# Altium PCB Jlink OB.PcbDoc
Units mil, origin at the board's own origin, x right, y up, seen from the top; angles counter-clockwise.
Board outline 1395.42 x 635.42 mil, 2 copper layers (Top Layer, Bottom Layer); 25 components, 24 nets, 124 pads, 48 vias.
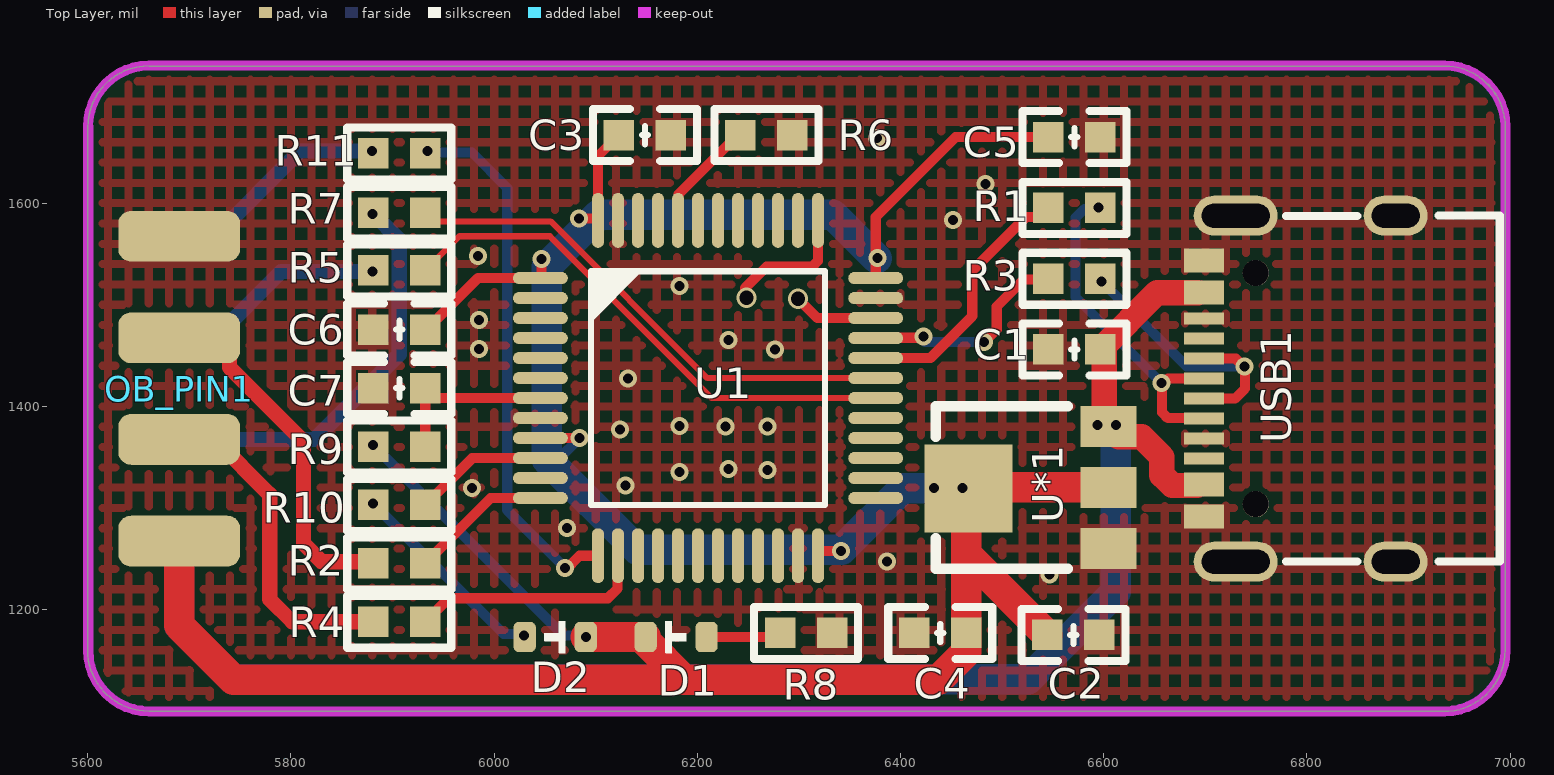
[diagram p0: Top Layer view]
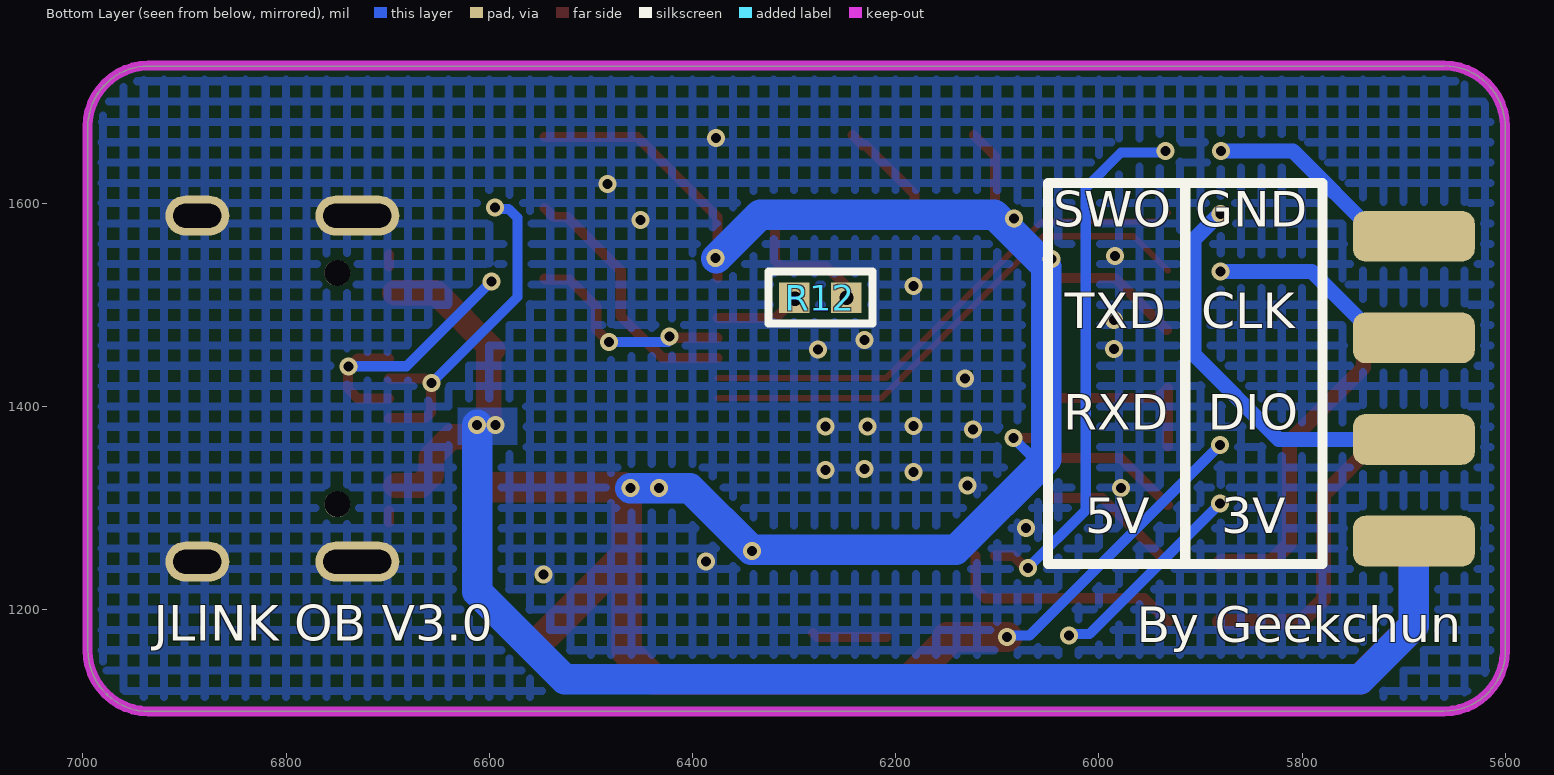
[diagram p1: Bottom Layer view, seen from below]
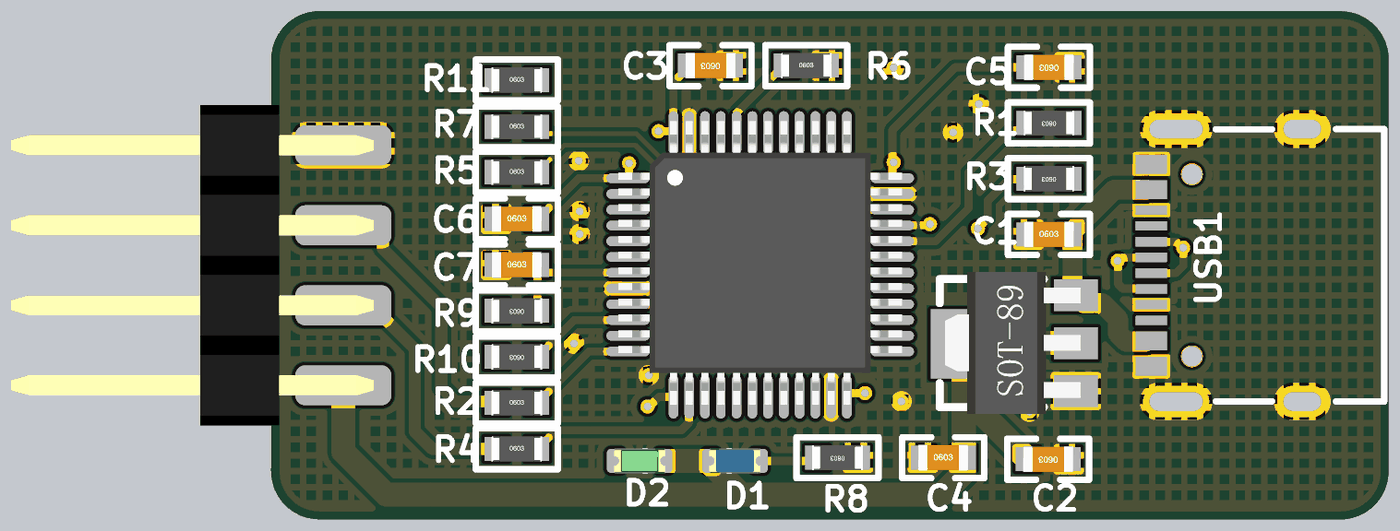
[diagram p2: 3D render of the assembled board from above, using the file's embedded part models]

## Layer stack, top to bottom
Top Solder: solder mask 0.4, Solder Resist, Dk 3.5
Top Layer: signal copper 1.4
Dielectric 1: dielectric 12.6, FR-4, Dk 4.8
Bottom Layer: signal copper 1.4
Bottom Solder: solder mask 0.4, Solder Resist, Dk 3.5

## Board outline
5599.79,1160.21 ccw(c5660,1160.21) 5660,1100 6935,1100 6934.79,1099.79 ccw(c6934.79,1160) 6995,1160 6995,1675 6995.21,1674.79 ccw(c6935,1674.79) 6935,1735 5660.21,1735 5660.21,1735.21 ccw(c5660.21,1675) 5600,1675

## Design rules (kind name [scope] priority, off if disabled: settings)
Clearance [All] p1: gap=5 ignorepadtopadclearanceinfootprint=FALSE
DiffPairsRouting [All] p1: maxlimit=10 minlimit=5 mostfreqgap=10 toplayer_minwidth=10 toplayer_maxwidth=15 toplayer_prefwidth=15 bottomlayer_minwidth=10 bottomlayer_maxwidth=15 bottomlayer_prefwidth=15 maxuncoupledlength=500
PolygonConnect [All] p1: connectstyle=Direct reliefconductorwidth=10 reliefentries=4 polygonreliefangle="90 Angle" airgapwidth=10
RoutingVias [All] p1: holewidth=6 width=10 viastyle="Through Hole" minholewidth=7.87 minwidth=17.72 maxholewidth=14 maxwidth=20
SolderMaskExpansion [All] p1: expansion=4 istentingtop=FALSE
Width [All] p1: maxlimit=50 minlimit=6 preferedwidth=10 minimp=50.000000 maximp=50.000000 favimp=50.000000
29 further rules are at their usual default settings.

## Classes and differential pairs
differential pair NewDifferentialPair1: +USB_DP -USB_DN

## Components (designator, comment, footprint, x,y, rotation, side; value= is the part's Value field where it differs from the comment)
C1 "0.1uf" "C 0603_L" 6571.01,1456 r0 top value=1.2pF
C2 "1uf" "C 0603_L" 6570,1175 r180 top value=1.2pF
C3 "0.1uf" "C 0603_L" 6148.41,1667 r180 top value=1.2pF
C4 "0.1uf" "C 0603_L" 6439,1177 r0 top value=1.2pF
C5 "0.1uf" "C 0603_L" 6571,1665 r180 top value=1.2pF
C6 "0.1uf" "C 0603_L" 5906.6,1475.5 r0 top value=1.2pF
C7 "0.1uf" "C 0603_L" 5906.6,1418 r0 top value=1.2pF
D1 "LED_0603" LED_0603_BLUE 6179,1173 r0 top
D2 "LED_0603" LED_0603_GREEN 6060,1173 r180 top
OB_PIN1 "HDR2x4_2.54" HDR2X4_2.54_180H 5690,1267.45 r180 top
R1 "22R" "R 0603_L" 6571,1595.33 r180 top
R2 "100R" "R 0603_L" 5906.6,1245.5 r0 top
R3 "22R" "R 0603_L" 6571,1525.66 r180 top
R4 "100R" "R 0603_L" 5906.6,1188 r0 top
R5 "100R" "R 0603_L" 5906.6,1533.9 r0 top
R6 "10K" "R 0603_L" 6268,1667 r0 top
R7 "100R" "R 0603_L" 5906.6,1590.6 r0 top
R8 "1K" "R 0603_L" 6307,1176.99 r180 top
R9 "10K" "R 0603_L" 5906.59,1360.49 r180 top
R10 "1K" "R 0603_L" 5906.59,1302.99 r180 top
R11 "100R" "R 0603_L" 5906.6,1649 r0 top
R12 "10K" "R 0603_L" 6274,1507 r0 bottom (schematic designator R6)
U1 "STM32F072CxT" LQFP_P0.5_48 6210.47,1418 r0 top value=Value
U*1 "ASM1117-3.3V" SOT-89 6604,1322 r90 top
USB1 "Type-C" PCBComponent_1 6840,1418.05 r0 top

## Footprints (in the part's own frame and the unit in brackets; to place one, negate y for a bottom-side part, rotate by r counter-clockwise, add the part's x,y. Pads: shape width x height; smd on the part's side, far side on the other; paste and mask are expansions set on the pad)
"C 0603_L" [mil] "无极性贴片电容"
  rect 30x30 smd: 1(-25.59,0) 2(25.59,0)
  silkscreen extent -51,-26 51,26, body extent -31,-16 31,16, height 32
HDR2X4_2.54_180H [mil]
  rrect50% 120x50 smd: 1(0,0) 3(0,-100) 5(0,-200) 7(0,-300)
  rrect50% 120x50 smd far side: 2(0,0) 4(0,-100) 6(0,-200) 8(0,-300)
  body extent -38,-350 415,50, height 100
LED_0603_BLUE [mil]
  rrect50% 22x30 smd: 1(-30,0) 2(30,0)
  silkscreen extent -10,-16 10,16, body extent -32,-16 32,16, height 24
LED_0603_GREEN [mil]
  rrect50% 22x30 smd: 1(-30,0) 2(30,0)
  silkscreen extent -10,-16 10,16, body extent -32,-16 32,16, height 24
LQFP_P0.5_48 [mil]
  oval 54x12 smd: 1(-165,108.27) 2(-165,88.58) 3(-165,68.9) 4(-165,49.21) 5(-165,29.53) 6(-165,9.84) 7(-165,-9.84) 8(-165,-29.53) 9(-165,-49.21) 10(-165,-68.9) 11(-165,-88.58) 12(-165,-108.27) 25(165,-108.27) 26(165,-88.58) 27(165,-68.9) 28(165,-49.21) 29(165,-29.53) 30(165,-9.84) 31(165,9.84) 32(165,29.53) 33(165,49.21) 34(165,68.9) 35(165,88.58) 36(165,108.27)
  oval 12x54 smd: 13(-108.27,-165) 14(-88.58,-165) 15(-68.9,-165) 16(-49.21,-165) 17(-29.53,-165) 18(-9.84,-165) 19(9.84,-165) 20(29.53,-165) 21(49.21,-165) 22(68.9,-165) 23(88.58,-165) 24(108.27,-165) 37(108.27,165) 38(88.58,165) 39(68.9,165) 40(49.21,165) 41(29.53,165) 42(9.84,165) 43(-9.84,165) 44(-29.53,165) 45(-49.21,165) 46(-68.9,165) 47(-88.58,165) 48(-108.27,165)
  silkscreen extent -115,-115 115,115, body extent -177,-175 177,180, height 61
PCBComponent_1 [mm]
  round 0.65 hole 0.65: 0(-2.299,-2.905) 0(-2.299,2.875)
  oval 1.6x1 hole 0.6 slot 1.2 at 0 deg: 1(1.201,4.31) 2(1.201,-4.34)
  oval 2.1x1 hole 0.6 slot 1.7 at 0 deg: 3(-2.799,-4.34) 4(-2.799,4.31)
  rect 1x0.3 smd: A1(-3.589,-3.365) A4(-3.589,-2.565) A5(-3.589,-1.265) A6(-3.589,-0.265) A7(-3.589,0.235) A8(-3.589,1.235) A9(-3.589,2.535) A12(-3.589,3.335) B1(-3.589,3.035) B4(-3.589,2.235) B5(-3.589,1.735) B6(-3.589,0.735) B7(-3.589,-0.765) B8(-3.589,-1.765) B9(-3.589,-2.265) B12(-3.589,-3.065)
  silkscreen extent -1.54,-4.34 3.8,4.31
"R 0603_L" [mil] "1/10W贴片电阻"
  rect 30x30 smd: 1(-25.59,0) 2(25.59,0)
  silkscreen extent -51,-26 51,26, body extent -31,-16 32,16, height 16
SOT-89 [mil]
  rect 40x55 smd: 1(-61.82,-0.57) 2(-1.82,-0.57) 3(58.18,-0.57)
  rect 86.61x86.61 smd: 2(-2.76,137.22)
  silkscreen extent -82,39 78,169, body extent -90,-6 87,163, height 59

## Part data
C1 C2 C3 C4 C5 C6 C7: "Capacitor, NP0, ?.1pF", Part Number=C0402-1.2p, Artikkelnr Noca=20029157, Artikkelnr Simpro=N.A., Footprint Doc=0402, LatestRevisionDate=2011-05-11, Note=50V, Pin Count=2, Published=2009-05-08, Publisher="Nordic Semiconductor"
D1 D2: "LED"
OB_PIN1: "Header"
R1 R2 R3 R4 R5 R6 R7 R8 R9 R10 R11 R12: library part RES
U1: "Imported", Manufacturer_Part_Number=stm32f072cxt, C="Copyright (C) 2016 Accelerated Designs. All rights reserved", Copyright="Copyright (C) 2016 Accelerated Designs. All rights reserved", RefDes=RefDes, Type=Type, Vendor=STMicroelectronics
U*1: "三端可调或固定电压3.3V"

## Via types
v1: diameter 17.72, hole 9.84, Top Layer to Bottom Layer, 46 vias
v2: diameter 20, hole 14, Top Layer to Bottom Layer, 2 vias

## Nets (pads, with @x,y where several pads share a name; then routed paths per layer and width w, separated by ;. In a path a pad name is that pad's centre, name@x,y a point inside that pad or via, vN(x,y) a via of type N, cw(c..) or ccw(c..) an arc to the next point about the centre after c; other vN are vias at no path point)
3.3V: C2.2 C3.2 C4.2 C5.2 C6.2 D1.1 D2.1 OB_PIN1.1 R9.2 U1.1 U1.9 U1.24 U1.36 U1.48 U*1.2 | length 3361.4
  Top Layer w10: C6.2@5933.18,1475.5 5983.95,1526.27 U1.1 6045.79,1526.27 6046.71,1527.19 v1(6046.71,1545.03) ; U1.9 v1(6084,1368.79) ; v1(6083.56,1585.02) 6101.28,1585.02 U1.48@6102.2,1584.1 ; U1.48 U1.48@6102.2,1584.1 ; C3.2 6102.2,1646.39 U1.48@6102.2,1584.1 ; U1.24 6318.74,1256.72 6319.66,1257.64 v1(6341.36,1257.64) ; U1.36 6375.47,1586.37 6454.1,1665 C5.2
  Top Layer w30: OB_PIN1.1 5690,1184.4 5743.4,1131 6187,1131 ; D2.1 D1.1 6149,1169 6187,1131 ; U*1.2@6464.59,1317.05 6464.59,1254.83 ; U*1.2@6467.72,1320.18 U*1.2@6604.57,1320.18 ; C2.2 6464.59,1254.83 ; 6187,1131 6437.3,1131 6464.59,1158.29 6464.59,1254.83
  Bottom Layer w10: v1(5880.57,1362.14) 6068.39,1174.32 6089.08,1174.32 v1(6090.56,1172.84) ; 6051.8,1347.8 6063.01,1347.8 v1(6084,1368.79)
  Bottom Layer w30: 6051.8,1367.45 6051.8,1347.8 6140.8,1258.8 6341.9,1258.8 6402.64,1319.54 v1(6461.06,1319.54) ; 6051.8,1368.79 6051.8,1537.6 6103,1588.8 6333.3,1588.8 v1@6376.56,1545.54
  other v1: 6433.01,1319.68 6377.16,1546.14
5V: C1.2 OB_PIN1.2 U*1.3 USB1.A4 USB1.A9 USB1.B4 USB1.B9 | length 1547.1
  Top Layer w25: USB1.A4@6691.94,1322.1 6667.5,1322.1 6657.21,1332.39 6657.21,1350.19 6637.22,1370.18 6614.57,1370.18 U*1.3 6600.58,1384.17 6600.58,1452.01 C1.2 6652.53,1511.94 6692.8,1511.94
  Bottom Layer w30: OB_PIN1.2 5690,1184.1 5742.7,1131.4 6525.6,1131.4 6611.8,1217.6 v1(6611.8,1381.7)
  other v1: 6594,1381.7
072_CLK: R12.1 U1.37 | length 132.5
  Top Layer w10: v2(6248.41,1507) 6247.08,1508.33 6247.08,1516.61 6268,1537.53 6312.88,1537.53 6318.74,1543.39 U1.37
072_DIO: R12.2 U1.34 | length 84.3
  Top Layer w10: v2(6299.05,1506.03) 6318.19,1486.9 U1.34
DN: R1.1 USB1.A7 USB1.B7 | length 338.2
  Top Layer w10: USB1.B7 6698.2,1388.43 6663.07,1388.43 6657.21,1394.29 6657.21,1421.43 6663.07,1427.29 USB1.A7
  Bottom Layer w10: v1@6594,1594.3 6580.9,1594.3 6572.2,1585.6 6572.2,1507.65 v1(6656.78,1423.07)
  other v1: 6594.56,1595.94
DP: R3.1 USB1.A6 USB1.B6 | length 284.3
  Top Layer w10: USB1.A6 6729.11,1407.61 6739,1417.5 6739,1437.79 6729.81,1446.98 USB1.B6
  Bottom Layer w10: v1(6597.7,1523.1) 6681.37,1439.43 v1(6738.56,1439.43)
GND: C1.1 C2.1 C3.1 C4.1 C5.1 C6.1 C7.1 OB_PIN1.7 R6.2 R8.1 U1.8 U1.23 U1.35 U1.47 U*1.1 USB1.1 USB1.2 USB1.3 USB1.4 USB1.A1 USB1.A5 USB1.A12 USB1.B1 USB1.B5 USB1.B12 | length 23.6
  Top Layer w10: USB1.A1 USB1.B12 ; USB1.B1 USB1.A12
  other v1: 6546.57,1234.57 6386.83,1247.31 6071.46,1280.09 5978.1,1319.54 6129.47,1322.24 6182.49,1335.63 6269.16,1337.24 6230.76,1338.6 6123.98,1377.15 6227.89,1380.32 6269.16,1380.14 6182.49,1380.68 6131.52,1427.43 6276.24,1456.13 5985.11,1456.53 6230.76,1465.38 5985.11,1485.03 6182.49,1518.54 5983.95,1547.99 6451.36,1583.52 6483.43,1619.01 6377.02,1664.36
LED: R10.1 U1.10 | length 132.4
  Top Layer w10: R10.1 5978.29,1349.1 U1.10
NetD1_2: D1.2 R8.2 | length 74.1
  Top Layer w10: D1.2 6277.42,1173 R8.2
NetD2_2: D2.2 R10.2 | length 202.8
  Bottom Layer w10: v1(5880.57,1304.64) 6009.09,1176.12 6028.08,1176.12 v1(6029.56,1174.64)
NetR2_2: R2.2 U1.12 | length 139.9
  Top Layer w10: R2.2 5996.42,1309.73 U1.12
NetR4_2: R4.2 U1.14 | length 235.3
  Top Layer w10: R4.2 5955.29,1211.1 6111.9,1211.1 6121.51,1220.71 6121.51,1252.62 U1.14
NetR5_2: R5.2 U1.30 | length 523.2
  Top Layer w6: R5.2 5965.74,1567.45 6054.74,1567.45 6214.04,1408.16 U1.30
NetR6_1: R6.1 U1.44 | length 111.1
  Top Layer w10: U1.44 6181.33,1583.38 6181.33,1608.73 6229.6,1657 6232.41,1657 R6.1
NetR7_2: R7.2 U1.31 | length 510.7
  Top Layer w6: R7.2 5940.64,1582.15 6055.6,1582.15 6209.91,1427.84 U1.31
NetR11_2: R11.2 U1.13 | length 529.8
  Top Layer w10: v1@6070.3,1239.3 6084,1253 U1.13
  Bottom Layer w10: v1@5932.7,1649.8 5978.1,1649.8 6012.9,1615 6012.9,1297.9 v1(6069.86,1240.94)
  other v1: 5934.31,1651.44
OB_CLK: OB_PIN1.5 R2.1 | length 348.8
  Top Layer w15: OB_PIN1.5 5722.29,1467.45 5739.41,1450.33 5739.41,1438.39 5812.39,1365.41 5812.39,1265.01 5830.23,1247.17 5879.33,1247.17 R2.1
OB_DIO: OB_PIN1.3 R4.1 | length 325.8
  Top Layer w15: OB_PIN1.3 5725,1367.45 5779,1313.45 5779,1210.2 5801.2,1188 R4.1
OB_RX: OB_PIN1.4 R7.1 | length 401.2
  Bottom Layer w15: OB_PIN1.4 5822.95,1367.45 5906.5,1451 5906.5,1564.3 5881.43,1589.37 v1(5880.13,1589.37)
OB_SWO: OB_PIN1.8 R11.1 | length 224.5
  Bottom Layer w15: OB_PIN1.8 5725,1567.45 5808.99,1651.44 v1(5879.69,1651.44)
OB_TX: OB_PIN1.6 R5.1 | length 217.2
  Bottom Layer w15: OB_PIN1.6 5725,1467.45 5790.42,1532.87 v1(5880.13,1532.87)
RST: C7.2 R9.1 U1.7 | length 174.9
  Top Layer w10: R9.1 C7.2 5942.03,1408.16 U1.7
USB_DN: R1.2 U1.32 | length 257.4
  Top Layer w10: U1.32 6429.31,1447.53 6470.6,1488.82 6470.6,1533.62 6504.98,1568 6523.26,1586.28 6536.35,1586.28 R1.2
USB_DP: R3.2 U1.33 | length 217.1
  Top Layer w10: U1.33 6375.85,1467.6 6421.1,1467.6 v1(6422.4,1468.9) ; v1(6482.27,1463.32) 6494.66,1475.71 6494.66,1498.26 6521.27,1524.87 6544.62,1524.87 R3.2
  Bottom Layer w10: v1(6422.4,1468.9) 6421.3,1468.9 6419.85,1467.45 6423.98,1463.32 v1(6482.27,1463.32)
pads on no net: U1.2 U1.3 U1.4 U1.5 U1.6 U1.11 U1.15 U1.16 U1.17 U1.18 U1.19 U1.20 U1.21 U1.22 U1.25 U1.26 U1.27 U1.28 U1.29 U1.38 U1.39 U1.40 U1.41 U1.42 U1.43 U1.45 U1.46 USB1.0 USB1.A8 USB1.B8

## Polygon pours and split planes (outlines as drawn)
GND on Bottom Layer "GND_L02_P002" (hatched 90Degree grid 20 track 8, remove dead copper, pour order 2): 7085.3,1797.9 7085.3,1046.4 5464.1,1046.4 5460.6,1049.9 5462.4,1051.7 5460.6,1797.9
5V on Bottom Layer "5V_L02_P000" (solid, remove dead copper, pour order 0): 6631.2,1399.3 6630.9,1399 6630.9,1362.1 6572.24,1362.1 6572.2,1362.14 6572.5,1362.44 6572.5,1398.8 6630.4,1398.8 6630.9,1399.3
GND on Top Layer "GND_L01_P001" (hatched 90Degree grid 20 track 8, remove dead copper, pour order 1): 7045.3,1806.6 7043.6,1804.9 5472.8,1804.9 5472.8,1001.2 7054,1001.2 7054,1804.9 7050.6,1808.3

## Keep-outs
Keep-Out Layer:
  lines w10: 5600.33,1675.42 cw(c5660.33,1675.42) 5660.33,1735.42 6935.32,1735.42 cw(c6935.32,1675.42) 6995.32,1675.42 6995.32,1159.83 cw(c6935.32,1159.83) 6935.32,1099.83 5660.38,1099.83 cw(c5660.38,1159.83) 5600.38,1159.83 5600.38,1675.37

## Silkscreen, mask and mechanical layers (free items; w line width, h text height)
Bottom Overlay:
  lines w10: 5915,1250 5915,1620 ; 5780,1245 6050,1245 6050,1620 5780,1620 5780,1245
  text "GND" at 5905,1565 h60
  text "SWO" at 6045,1565 h60
  text "CLK" at 5899.06,1465.02 h60
  text "TXD" at 6033.48,1465.02 h60
  text "DIO" at 5892.69,1365 h60
  text "RXD" at 6035,1365 h60
  text "3V" at 5879.73,1263.38 h60
  text "5V" at 6013.38,1263.38 h60
  text "JLINK OB V3.0" at 6930,1157.3 h60
  text "By Geekchun" at 5962.9,1155.97 h60
Mechanical 1:
  lines w10: 5600.3,1160.02 ccw(c5660.3,1160.02) 5660.3,1100.02 6934.9,1099.5 ccw(c6934.9,1159.5) 6994.9,1159.5 6994.9,1675.4 ccw(c6934.9,1675.4) 6934.9,1735.4 5660.3,1735.4 ccw(c5660.3,1675.4) 5600.3,1675.4 5600.3,1160.02